# Altium PCB e-puck3-coreboard.PcbDoc (part 4 of 7)
Units mm, origin at the board's own origin, x right, y up, seen from the top; angles counter-clockwise.
Board outline 42.5 x 39.5 mm, 10 copper layers (Top Layer, Top GND Plane, Top Mid Layer 1, Top Mid Layer 2, Mid GND Plane, Bot Mid Layer 3, Bot Mid Layer 2, Bot Mid Layer 1, Bot GND Plane, Bottom Layer), stack 1.366 mm thick; 292 components, 337 nets, 1581 pads, 7018 vias.
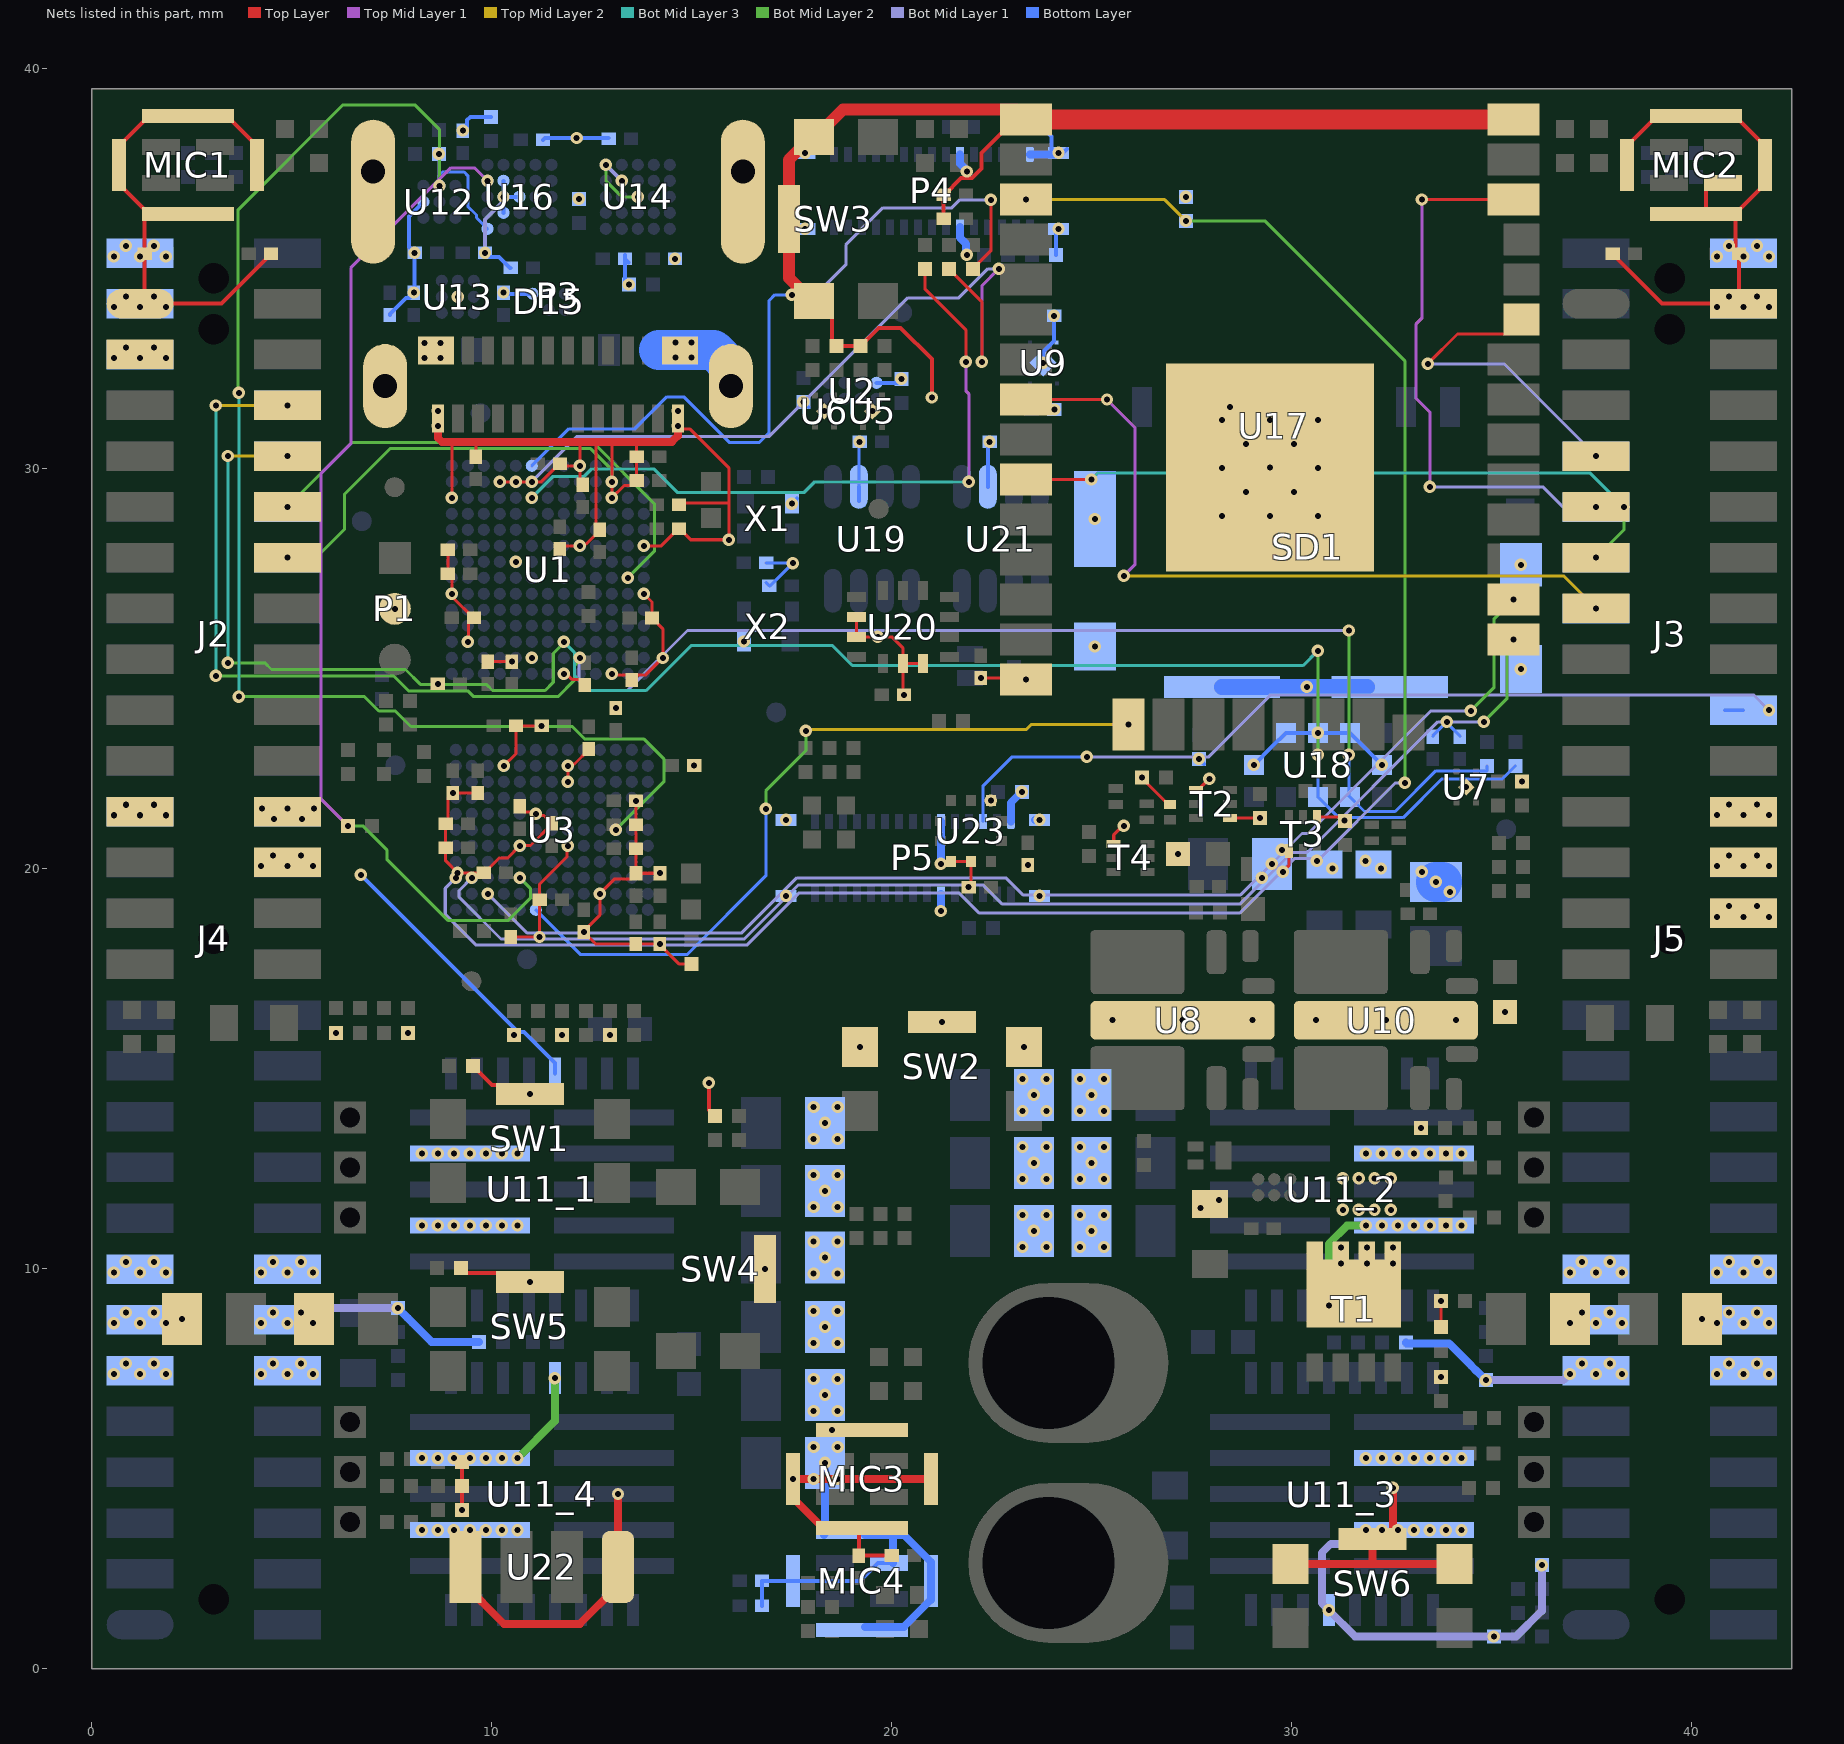
[diagram p12: the nets of this part, all layers, seen from the top]

## Via types
v1: diameter 0.304, hole 0.15, Bot GND Plane to Bottom Layer, 1160 vias
v2: diameter 0.304, hole 0.15, Bot Mid Layer 1 to Bot GND Plane, 1106 vias
v3: diameter 0.304, hole 0.15, Bot Mid Layer 2 to Bot Mid Layer 1, 1042 vias
v4: diameter 0.304, hole 0.15, Bot Mid Layer 3 to Bot Mid Layer 2, 765 vias
v5: diameter 0.304, hole 0.15, Mid GND Plane to Bot Mid Layer 3, 706 vias
v6: diameter 0.304, hole 0.15, Top Mid Layer 2 to Mid GND Plane, 706 vias
v7: diameter 0.304, hole 0.15, Top Mid Layer 1 to Top Mid Layer 2, 585 vias
v8: diameter 0.304, hole 0.15, Top GND Plane to Top Mid Layer 1, 493 vias
v9: diameter 0.304, hole 0.15, Top Layer to Top GND Plane, 343 vias
v10: diameter 0.304/0.15/0.15/0.15/0.15/0.15/0.15/0.15/0.15/0.304 (per signal layer), hole 0.15, Top Layer to Bottom Layer, 39 vias
v11: diameter 0.304/0.304/0.15/0.15/0.304/0.15/0.15/0.15/0.304/0.304 (per signal layer), hole 0.15, Top Layer to Bottom Layer, 38 vias
v12: diameter 0.304/0.15/0.304/0.15/0.304/0.304/0.15/0.15/0.304/0.304 (per signal layer), hole 0.15, Top Layer to Bottom Layer, 10 vias
v13: diameter 0.304/0.304/0.15/0.15/0.15/0.15/0.15/0.15/0.15/0.304 (per signal layer), hole 0.15, Top Layer to Bottom Layer, 8 vias
v14: diameter 0.304/0.304/0.15/0.15/0.304/0.15/0.15/0.15/0.15/0.304 (per signal layer), hole 0.15, Top Layer to Bottom Layer, 4 vias
v15: diameter 0.304/0.304/0.15/0.15/0.304/0.15/0.15/0.15/0.304/0.15 (per signal layer), hole 0.15, Top Layer to Bottom Layer, 4 vias
v16: diameter 0.304/0.15/0.304/0.304/0.304/0.304/0.15/0.304/0.304/0.304 (per signal layer), hole 0.15, Top Layer to Bottom Layer, 2 vias
v17: diameter 0.304/0.15/0.15/0.15/0.304/0.15/0.15/0.15/0.304/0.304 (per signal layer), hole 0.15, Top Layer to Bottom Layer, 2 vias
v18: diameter 0.304/0.15/0.15/0.15/0.15/0.15/0.15/0.304/0.15/0.304 (per signal layer), hole 0.15, Top Layer to Bottom Layer, 1 vias
v19: diameter 0.304/0.15/0.304/0.15/0.15/0.304/0.15/0.15/0.15/0.304 (per signal layer), hole 0.15, Top Layer to Bottom Layer, 1 vias
v20: diameter 0.304/0.15/0.15/0.15/0.304/0.15/0.15/0.15/0.15/0.304 (per signal layer), hole 0.15, Top Layer to Bottom Layer, 1 vias
v21: diameter 0.304/0.15/0.15/0.15/0.15/0.15/0.304/0.15/0.15/0.304 (per signal layer), hole 0.15, Top Layer to Bottom Layer, 1 vias
v22: diameter 0.304/0.15/0.304/0.15/0.15/0.15/0.15/0.15/0.15/0.304 (per signal layer), hole 0.15, Top Layer to Bottom Layer, 1 vias

## Nets (pads, with @x,y where several pads share a name; then routed paths per layer and width w, separated by ;. In a path a pad name is that pad's centre, name@x,y a point inside that pad or via, vN(x,y) a via of type N, cw(c..) or ccw(c..) an arc to the next point about the centre after c; other vN are vias at no path point) (continued)
FLASH_CAM2_1: J5.38 P5.3 | length 22.1
  Bot Mid Layer 1 w0.077: v2(24.875,22.8) 27.925,22.8 29.475,24.35 41.54,24.35 v2(41.925,23.965)
  Bottom Layer w0.077: P5.3@22.275,21.185 22.275,22.063 23.012,22.8 v2(24.875,22.8) ; J5.38@40.822,23.965 J5.38@41.291,23.965
  other v1: 24.875,22.8 41.925,23.965
FREE_GPIOs_ESP32.IO21_ESP32_1: J3.7 J5.47 U17.33 | length 8.1
  Top Layer w0.077: v9(33.4,32.625) 34.144,33.369 35.428,33.369 35.79,33.73 U17.33@35.74,33.73
  Bot Mid Layer 1 w0.077: v9(33.4,32.625) 35.302,32.625 v9(37.608,30.319)
  other v1: 37.608,30.319
  other v2: 37.608,30.319
  other v3: 37.608,30.319 33.4,32.625
  other v4: 37.608,30.319 33.4,32.625
  other v5: 37.608,30.319 33.4,32.625
  other v6: 37.608,30.319 33.4,32.625
  other v7: 37.608,30.319 33.4,32.625
  other v8: 37.608,30.319 33.4,32.625
FREE_GPIOs_ESP32.IO22_ESP32_1: J3.9 J5.45 U17.36 | length 14
  Top Layer w0.077: v9(33.25,36.73) U17.36@35.54,36.73
  Top Mid Layer 1 w0.077: v9(33.25,36.73) 33.25,33.762 33.1,33.612 33.1,31.772 33.45,31.422 v7(33.45,29.55)
  Bot Mid Layer 1 w0.077: v7(33.45,29.55) 36.275,29.55 36.776,29.049 v9(37.608,29.049)
  other v1: 37.608,29.049
  other v2: 37.608,29.049
  other v3: 37.608,29.049 33.45,29.55
  other v4: 37.608,29.049 33.45,29.55
  other v5: 37.608,29.049 33.45,29.55
  other v6: 37.608,29.049 33.45,29.55
  other v7: 37.608,29.049
  other v8: 37.608,29.049 33.25,36.73
FREE_GPIOs_ESP32.IO27_ESP32_1: J3.11 J5.43 U17.10 | length 16.9
  Top Layer w0.077: U17.10@23.36,29.73 v9(24.986,29.73)
  Bot Mid Layer 2 w0.077: v9(37.608,27.779) 38.3,28.471 v4(38.3,29.049)
  Bot Mid Layer 3 w0.077: v9(24.986,29.73) 25.156,29.9 37.449,29.9 v4(38.3,29.049)
  other v1: 37.608,27.779
  other v2: 37.608,27.779
  other v3: 37.608,27.779
  other v4: 37.608,27.779
  other v5: 37.608,27.779 24.986,29.73
  other v6: 37.608,27.779 24.986,29.73
  other v7: 37.608,27.779 24.986,29.73
  other v8: 37.608,27.779 24.986,29.73
FREE_GPIOs_ESP32.IO32_ESP32_1: J3.13 J5.41 U17.8 | length 19
  Top Layer w0.077: U17.8@23.36,31.73 v9(25.38,31.73)
  Top Mid Layer 1 w0.077: v9(25.38,31.73) 26.075,31.035 26.075,27.6 v7(25.8,27.325)
  Top Mid Layer 2 w0.077: v7(25.8,27.325) 36.793,27.325 v9(37.608,26.509)
  other v1: 37.608,26.509
  other v2: 37.608,26.509
  other v3: 37.608,26.509
  other v4: 37.608,26.509
  other v5: 37.608,26.509
  other v6: 37.608,26.509
  other v7: 37.608,26.509
  other v8: 37.608,26.509 25.38,31.73
FRONT_RGB.B_1: R42.1 U1.M6 | length 17.4
  Top Layer w0.077: R42.1@20.824,35 20.824,34.501 21.85,33.475 v8(21.85,32.675)
  Top Mid Layer 1 w0.077: v8(21.85,32.675) 21.85,31.95 21.925,31.875 v7(21.925,29.675)
  Bot Mid Layer 3 w0.077: v3(11,29.275) 11.537,29.811 12.309,29.811 12.498,30 14.045,30 14.634,29.412 17.813,29.412 18.076,29.676 v7(21.925,29.675)
  other v1: 11,29.275
  other v2: 11,29.275
  other v4: 11,29.275
  other v5: 21.925,29.675
  other v6: 21.925,29.675
  other v9: 21.85,32.675
FRONT_RGB.G_1: R41.1 U1.N6 | length 19
  Top Layer w0.077: R41.1@21.425,35 22.25,34.175 v8(22.25,32.675)
  Top Mid Layer 1 w0.077: v8(22.25,32.675) 22.254,32.679 22.254,34.579 v7(22.675,35)
  Bot Mid Layer 1 w0.077: v2(11,29.675) 12.137,30.812 16.937,30.812 20.4,34.275 21.675,34.275 22.4,35 v7(22.675,35)
  other v1: 11,29.675
  other v3: 22.675,35
  other v4: 22.675,35
  other v5: 22.675,35
  other v6: 22.675,35
  other v9: 22.25,32.675
FRONT_RGB.R_1: R40.1 U1.P6 | length 19.3
  Top Layer w0.077: R40.1@22.025,35 22.475,35.45 v9(22.475,36.725)
  Bot Mid Layer 1 w0.077: v2(17.5,34.35) 18.1,34.35 18.85,35.1 18.85,35.6 19.775,36.525 21.5,36.525 21.7,36.725 v9(22.475,36.725)
  Bottom Layer w0.077: U1.P6@11,30.075 11.925,31 13.575,31 14.375,31.8 14.8,31.8 15.947,30.654 16.679,30.654 16.929,30.904 16.929,34.204 17.075,34.35 v2(17.5,34.35)
  other v1: 17.5,34.35
  other v3: 22.475,36.725
  other v4: 22.475,36.725
  other v5: 22.475,36.725
  other v6: 22.475,36.725
  other v7: 22.475,36.725
  other v8: 22.475,36.725
GND: C1.2 C2.2 C3.2 C4.2 C5.2 C6.2 C7.2 C8.2 C9.2 C10.2 C11.2 C12.2 C13.2 C14.2 C15.2 C16.2 C17.2 C18.2 C19.2 C20.2 C21.2 C22.2 C23.2 C24.2 C25.2 C26.2 C27.2 C28.2 C29.2 C30.2 C31.2 C32.2 C33.2 C34.2 C35.2 C36.2 C37.2 C38.2 C39.2 C40.2 C41.2 C42.2 C43.2 C45.2 C46.2 C47.2 C49.2 C50.2 C53_1.2 C53_2.2 C53_3.2 C53_4.2 C54_1.2 C54_2.2 C54_3.2 C54_4.2 C55_1.2 C55_2.2 C55_3.2 C55_4.2 C56_1.2 C56_2.2 C56_3.2 C56_4.2 C57.2 C58.2 C59.2 C60.2 C61.2 C62.2 C63.2 C64.2 C65.2 C66.2 C67.2 C68.2 C69.2 C70.2 C71.2 C72.2 C73.2 C74.2 C75.2 C76.2 C77.2 C78.2 C79.2 C80.2 C81.2 C82.2 C83.2 C84.2 C87.2 C88.2 D5.2 D14.2 D15.C1 J2.1 J2.3 J2.21 J2.22 J2.24 J3.2 J3.22 J3.24 J3.26 J4.11 J4.12 J4.13 J4.14 J4.15 J4.16 J4.33 J4.34 J4.51 J4.53 J4.55 J5.11 J5.12 J5.13 J5.14 J5.15 J5.16 J5.54 J5.56 MIC1.5 MIC2.2 MIC2.5 MIC3.5 MIC4.2 MIC4.5 P1.2 P3.A1 P3.A12 P3.B1 P3.B12 P3.SHIELD P4.1 P4.6 P4.25 P4.P1 P4.P2 P5.1 P5.6 P5.25 P5.P1 P5.P2 R4.2 R7.2 R8.2 R9.2 R10.2 R12.2 R13.1 R15.2 R18.2 R19.2 R22.2 R25.2 R26.2 R27.2 R29.2 R33_1.2 R33_2.2 R33_3.2 R33_4.2 R34_1.2 R34_2.2 R34_3.2 R34_4.2 R35_1.2 R35_2.2 R35_3.2 R35_4.2 R38_1.2 R38_2.2 R38_3.2 R38_4.2 R39_1.2 R39_2.2 R39_3.2 R39_4.2 R70.2 R71.2 R72.2 R74.2 R75.2 R77.2 R79.2 R80.2 SD1.6 SD1.SHIELD SW1.Shield SW2.1 SW2.Shield SW3.1 SW3.Shield SW4.Shield SW5.Shield SW6.1 SW6.Shield T1.5 T1.6 T1.7 T1.8 T1.9 T2.1 T2.4 T3.1 T3.4 T4.1 U1.A8 U1.A11 U1.B6 U1.C2 U1.F1 U1.F13 U1.H5 U1.J9 U1.J13 U1.M1 U1.M11 U1.N4 U1.N5 U1.P9 U2.D1 U3.D2 U3.E7 U3.F5 U3.H2 U3.H3 U3.H7 U3.K10 U5.3 U6.3 U7.3 U8.8 U9.2 U9.5 U10.8 U11_1.10 U11_1.12 U11_1.18 U11_2.10 U11_2.12 U11_2.18 U11_3.10 U11_3.12 U11_3.18 U11_4.10 U11_4.12 U11_4.18 U12.C2 U13.B2 U14.C3 U14.D2 U16.B4 U16.C3 U16.C4 U16.D4 U17.1 U17.15 U17.38 U17.39 U18.2 U18.3 U18.4 U18.6 U18.12 U19.2 U20.2 U20.3 U20.6 U20.7 U21.2 U22.1 U22.4 U23.3 U23.8 U23.9 X1.2 X2.2 | length 232.9
  Top Layer w0.077: C14.2@8.565,24.65 8.59,24.625 v9(8.65,24.625) ; C7.2@8.9,27.975 C6.2@8.9,27.375 9,27.275 v11(9,26.875) 9.043,26.832 9.043,26.767 C8.2@9.535,26.275 ; C30.2@8.955,21.235 C30.2@8.904,21.184 ; 8.975,30.675 9,30.65 v11(9,29.275) ; v13(9.4,25.675) v13@9.414,25.688 ; v13@9.425,25.7 v13@9.414,25.688 ; C8.2@9.575,26.275 C8.2@9.555,26.275 C8.2@9.535,26.275 ; C15.2@9.6,30.305 9.6,30.675 ; C40.2@9.65,21.915 C40.2@9.65,21.895 v9(9.025,21.895) 8.904,21.773 C30.2@8.904,21.184 ; C3.2@9.9,25.16 C3.2@9.9,25.18 v9(10.5,25.18) C2.2@10.595,25.275 ; v14(10.2,29.675) v14(10.6,29.675) 11.235,29.675 11.685,30.125 C9.2@11.705,30.125 11.755,30.075 v11(12.2,30.075) ; v13@10.3,22.565 v13(10.3,22.575) 10.605,22.88 C28.2@10.605,23.575 v9(11.245,23.575) ; C42.2@10.475,18.295 v9(11.195,18.295) C21.2@11.195,19.225 ; C39.2@10.7,21.56 10.7,21.54 10.821,21.419 10.995,21.419 11.039,21.375 v10(11.1,21.375) 11.143,21.332 11.303,21.332 11.359,21.276 11.379,21.276 11.5,21.155 C38.2@11.5,21.135 11.5,21.115 10.967,20.582 10.707,20.582 v13(10.7,20.575) 10.392,20.267 10.182,20.267 9.815,19.9 C36.2@9.795,19.9 v9(9.143,19.9) 8.845,20.198 C37.2@8.845,20.525 C30.2@8.845,21.125 C30.2@8.904,21.184 ; C21.2@11.325,19.115 11.215,19.225 C21.2@11.195,19.225 ; C16.2@11.7,27.995 11.78,28.075 v10(12.2,28.075) 12.243,28.118 12.358,28.118 12.7,28.46 C10.2@12.7,28.48 ; v11@11.815,24.86 v11(11.8,24.875) 11.861,24.875 12,24.737 12.204,24.737 C12.2@12.31,24.63 ; v10(11.9,20.575) 11.882,20.557 11.882,20.307 11.195,19.62 C21.2@11.195,19.225 ; v13(11.9,22.175) v13(11.9,22.575) 11.943,22.618 12.068,22.618 12.425,22.975 C22.2@12.425,22.995 C22.2@12.425,23.015 ; C12.2@12.215,24.725 C12.2@12.31,24.63 ; 12.225,30.675 12.2,30.65 v11(12.2,30.075) ; C17.2@12.275,29.585 C17.2@12.275,29.605 12.2,29.68 v11(12.2,30.075) ; C12.2@12.28,24.6 C12.2@12.31,24.63 ; C12.2@12.325,24.595 12.325,24.615 C12.2@12.31,24.63 ; C12.2@12.355,24.675 C12.2@12.31,24.63 ; C10.2@12.6,28.566 12.6,30.625 12.65,30.675 12.655,30.67 ; v11(13,24.875) 13.025,24.85 13.851,24.85 v9(14.275,25.274) 14.275,26 C18.2@14.005,26.27 14.005,26.67 v17(13.8,26.875) ; 13,30.675 v20(13,29.275) ; v20@13.015,29.26 12.985,29.26 v20(13,29.275) ; C33.2@13.075,24.045 v9(13.1,24.02) ; C13.2@13.5,24.72 C13.2@13.5,24.74 ; C26.2@13.6,18.1 C26.2@13.6,18.12 ; C34.2@13.625,21.7 v9(13.605,21.7) C31.2@13.605,21.1 C32.2@13.605,20.5 C24.2@13.605,19.89 ; 13.625,30.675 13.621,30.671 C5.2@13.621,30.3 C4.2@13.621,29.705 13.499,29.584 13.309,29.584 v20(13,29.275) ; v17(13.8,28.075) 14.235,28.075 14.66,28.5 C11.2@14.68,28.5 14.7,28.5 14.974,28.226 v9(15.925,28.226) 15.925,29.141 ; C25.2@14.205,19.91 v9(14.205,19.89) C24.2@13.605,19.89 ; P3.A1@14.655,31.26 14.655,31.105 14.767,30.993 14.957,30.993 15.925,30.025 15.925,29.141 ; C19.2@14.68,29.1 14.68,29.141 15.925,29.141 ; R12.2@14.99,17.625 14.675,17.625 14.2,18.1 v9(14.2,18.12) C26.2@13.6,18.12 ; v9(15.06,22.58) C29.2@15.181,22.701 ; SW3.1@18.05,34.2 SW3.1@18.425,33.825 ; U20.2@19.113,26.3 U20.3@19.113,25.8 v9(19.65,25.8) 20,25.8 20.275,25.525 U20.6@20.275,25.137 ; v9(20.305,24.35) 20.275,24.38 U20.6@20.275,25.137 ; U20.7@20.775,25.137 U20.6@20.275,25.137 ; U23.8@21.475,20.188 U23.9@21.975,20.188 ; v9(21.92,19.54) 21.975,19.595 U23.9@21.975,20.188 ; U23.9@21.975,20.2 U23.9@21.975,20.188 ; v9(22.225,24.77) 23.32,24.77 v9(23.36,24.73) ; T4.1@25.548,20.622 25.548,20.848 25.775,21.075 v9(25.8,21.075) ; R25.2@26.365,22.2 26.365,22.15 26.89,21.625 D5.2@26.96,21.625 ; T2.1@27.6,21.975 27.662,21.975 v9(27.937,22.25) ; T2.4@28.45,21.275 v9(29.2,21.275) ; v9(29.775,19.925) 29.925,20.075 T3.1@29.925,20.45 ; T3.4@30.625,21.3 31.225,21.3 v9(31.32,21.205) R27.2@31.325,21.2 ; R34_3.2@33.725,8.55 v9(33.725,9.2) ; R34_3.2@33.861,8.414 R34_3.2@33.864,8.414 ; v13@9.414,25.688 9.414,26.154 C8.2@9.535,26.275 ; C26.2@13.6,18.12 12.6,18.12 12.441,18.279 12.421,18.279 12.3,18.4 v9(12.3,18.42) 12.3,18.44 12.7,18.84 v14(12.7,19.375) 13.074,19.749 13.484,19.749 13.605,19.87 C24.2@13.605,19.89
  Top Layer w0.1: MIC1.5@4.125,37.6 4.125,38.075 3.5,38.7 2.525,38.7 MIC1.5@2.4,38.825 1.425,38.825 0.8,38.2 0.675,38.075 MIC1.5@0.675,37.6 0.675,37.125 1.32,36.48 C70.2@1.32,35.375 1.32,34.241 J2.1@1.209,34.129 3.241,34.129 3.631,34.519 3.631,34.526 C71.2@4.48,35.375 ; R8.2@9.225,10.025 9.35,9.9 SW5.Shield@10.15,9.9 ; v9(9.25,3.975) R34_4.2@9.25,4.575 R33_4.2@9.25,5.175 ; R4.2@9.525,15.075 10,14.6 10.725,14.6 v9(10.95,14.375) ; v9(15.425,14.65) 15.425,13.975 R7.2@15.575,13.825 ; SW3.1@18,34.2 SW3.1@18.05,34.2 18.1,34.2 18.5,33.8 18.5,33.182 R18.2@18.615,33.067 R15.2@19.215,33.067 19.673,33.525 20.215,33.525 21,32.74 v9(21,31.782) ; MIC3.5@19.175,3.45 C78.2@19.175,2.83 C77.2@19.995,2.83 ; C65.2@21.295,36.25 C66.2@21.295,36.85 21.315,36.85 21.732,37.267 22,37.267 22.247,37.513 22.247,37.897 23.08,38.73 U17.1@23.36,38.73 ; C75.2@38.02,35.368 39.259,34.129 J3.2@41.291,34.129 J3.2@41.507,34.129 ; C75.2@38.02,35.368 C75.2@38.02,35.375 ; MIC2.5@38.375,37.6 38.375,38.075 39.125,38.825 MIC2.5@40.1,38.825 41.075,38.825 41.7,38.2 41.825,38.075 MIC2.5@41.825,37.6 41.825,37.125 41.075,36.375 MIC2.5@40.35,36.375 ; MIC2.5@40.1,36.375 MIC2.5@40.35,36.375 ; MIC2.2@40.775,37.15 40.5,37.15 40.35,37 MIC2.5@40.35,36.375 ; MIC2.5@41.095,36.375 41.095,35.46 C76.2@41.18,35.375 J3.2@41.18,34.241 ; SW5.Shield@10.15,9.9 10.725,9.9 v9(10.95,9.675) 10.375,9.675 SW5.Shield@10.15,9.9
  Top Layer w0.2: P3.A12@8.655,31.26 8.65,31.255 v15(8.65,31.075) 8.65,30.775 8.75,30.675 8.975,30.675 9.6,30.675 12.225,30.675 12.65,30.675 13,30.675 13.625,30.675 14.5,30.675 14.65,30.825 14.65,31.255 P3.A1@14.655,31.26 ; U22.4@9.266,2.75 9.266,2.159 10.3,1.125 12.2,1.125 U22.1@13.076,2.001 ; U22.1@13.155,2.55 v9(13.155,4.37) ; MIC3.5@19.25,3.525 18.275,3.525 17.6,4.2 17.525,4.275 v9(17.525,4.75) MIC3.5@20.975,4.75 ; SW6.1@29.969,2.625 32.019,2.625 ; v9(32.525,4.525) 32.525,3.425 32.35,3.25 SW6.Shield@32.019,3.25 32.019,2.625 ; SW6.1@34.069,2.625 32.019,2.625
  Top Layer w0.3: SW3.1@18,34.2 17.425,34.775 SW3.Shield@17.425,36.25 17.425,37.725 18,38.3 SW3.1@18.05,38.3 18.1,38.3 18.777,38.977 23.113,38.977 U17.1@23.36,38.73
  Top Layer w0.5: U17.1@23.36,38.73 U17.38@35.54,38.73
  Bot Mid Layer 2 w0.077: v3(12.85,37.6) 12.85,37.2 13.25,36.8 v3(13.65,36.8)
  Bot Mid Layer 2 w0.2: v3(10.646,5.265) 11.575,6.194 v3(11.575,7.265) ; v3(30.925,9.085) 30.925,10.625 31.385,11.085 v3(31.85,11.085)
  Bot Mid Layer 1 w0.1: v2(9.83,35.4) 9.83,36.23 10.293,36.693 v2(10.293,36.8) ; v2@12.85,37.627 v3(12.85,37.6) v2(13.25,37.2)
  Bot Mid Layer 1 w0.2: v8(5.533,8.64) 5.908,9.015 v2(7.65,9.015) ; v3(31.85,3.465) 31.51,3.125 30.975,3.125 30.75,2.9 30.75,1.64 v2(30.925,1.465) 31.585,0.805 v2(35.05,0.805) 35.605,0.805 36.25,1.45 v2(36.25,2.59) ; v2(34.85,7.215) 36.795,7.215 v3(36.95,7.37)
  Bot Mid Layer 3 w0.2: v5@41.272,7.35 v3(41.291,7.37)
  Bottom Layer w0.077: C20.2@16.86,27.154 C20.2@16.939,27.075 16.959,27.075 v1(17.525,27.641) 16.869,27.641 C1.2@16.86,27.65 ; X1.2@17.499,29.052 v1(17.499,29.127) ; v1(17.787,31.675) R9.2@17.923,31.539 ; U19.2@19.175,29.55 19.175,30.655 v1(19.195,30.675) ; C69.2@22.4,30.63 v1(22.445,30.675) C69.2@22.45,30.67 ; C68.2@33.525,23.305 33.525,23.325 33.686,23.486 v1(33.875,23.675) 33.875,23.65 34.2,23.325 C67.2@34.2,23.305
  Bottom Layer w0.1: v3(6.725,19.85) 10.65,15.925 10.8,15.925 11.575,15.15 U11_1.18@11.575,14.885 ; P3.SHIELD@7.335,32.07 P3.SHIELD@7.34,32.075 ; C88.2@7.45,33.845 7.45,33.865 7.86,34.275 7.94,34.275 8.05,34.385 v1(8.05,34.405) 8.07,34.425 v1(8.07,35.4) 7.925,35.545 7.925,36.311 U12.C2@8.289,36.675 ; C57.2@9.275,38.475 v1(9.275,38.455) 9.385,38.565 9.385,38.715 9.47,38.8 R70.2@9.975,38.8 ; v1(10.293,34.405) 10.323,34.375 D15.C1@11.025,34.375 ; U16.D4@10.293,36.4 v2(10.293,36.8) ; U16.B4@10.293,37.2 v2(10.293,36.8) ; C64.2@10.47,35.025 10.45,35.025 10.185,35.29 C59.2@9.96,35.29 ; U16.C3@10.693,36.8 v2(10.293,36.8) ; C87.2@11.28,38.225 11.325,38.27 v1(12.123,38.27) C61.2@12.92,38.27 ; C62.2@13.33,35.35 C62.2@13.33,35.25 ; C62.2@13.42,35.16 C62.2@13.33,35.25 ; v1(13.425,34.608) 13.33,34.703 C62.2@13.33,35.25 ; v1(14.58,35.25) C63.2@14.6,35.25 ; C82.2@16.755,1.575 C81.2@16.755,2.2 MIC4.5@17.525,2.2 19.2,2.2 19.65,2.65 MIC4.2@19.925,2.65 ; v1(17.499,29.127) X1.2@17.624,29.252 ; P4.P2@17.671,37.9 v1(17.83,37.9) ; P4.P2@17.75,36.021 17.771,36 v1(17.83,36) ; U19.2@19.175,29.2 U19.2@19.175,29.55 ; U2.D1@19.616,32.15 20.137,32.15 v1(20.237,32.25) ; U21.2@22.4,29.55 C69.2@22.4,30.63 ; R79.2@23.725,38.575 23.991,38.309 23.991,38 24.091,37.9 v1(24.17,37.9) ; v1(23.783,32.65) 23.783,32.919 24.057,33.193 v1(24.057,33.825) ; v1(24.061,31.485) C45.2@24.081,31.485 ; R80.2@24.1,35.35 24.1,35.93 v1(24.17,36) ; P4.P1@24.13,37.86 v1(24.17,37.9) ; P4.P1@24.375,38 24.275,37.9 v1(24.17,37.9) ; v1(27.675,22.75) R75.2@27.8,22.625 ; U18.6@29.025,22.625 v1(29.05,22.6) 29.509,23.059 U18.4@29.85,23.4 U18.2@31.45,23.4 31.65,23.2 v1(32.25,22.6) ; J5.56@41.291,35.395 J5.56@41.3,35.403 ; C59.2@9.96,35.29 9.94,35.29 v2(9.83,35.4) 9.85,35.4 C59.2@9.96,35.29
  Bottom Layer w0.2: v2(7.65,9.015) 7.898,8.767 8.002,8.663 8.49,8.175 R38_4.2@9.675,8.175 ; MIC4.5@18.3,3.35 18.331,3.381 v7(18.331,5.15) ; MIC4.5@19.25,3.425 19.325,3.35 MIC4.5@20.025,3.35 ; MIC4.5@19.325,1.05 20.3,1.05 20.975,1.725 MIC4.5@20.975,2.2 20.975,2.675 20.3,3.35 MIC4.5@20.025,3.35 ; MIC4.2@20.025,2.65 MIC4.5@20.025,3.35 ; v1(21.225,18.949) P5.25@21.225,19.365 ; v1(21.225,20.125) 21.225,21.095 P5.6@21.225,21.185 ; P4.25@21.7,36.04 21.7,35.782 21.855,35.627 21.855,35.37 v1(21.875,35.35) ; P4.6@21.7,37.86 21.7,37.633 21.875,37.458 v1(21.875,37.43) ; P5.1@22.975,21.185 22.975,21.65 v1(23.25,21.925) ; P4.1@23.45,37.86 P4.P1@24.13,37.86 ; P5.P1@23.585,21.225 v1(23.695,21.225) ; C46.2@24.058,33.846 C46.2@24.058,33.875 ; SD1.6@28.45,31.3 v1(28.45,31.55) ; R38_2.2@32.85,8.157 32.869,8.138 33.927,8.138 34.498,7.567 34.633,7.431 ; 34.634,7.431 v2(34.85,7.215)
  Bottom Layer w0.4: SD1.SHIELD@28.255,24.55 v1(30.375,24.55) SD1.SHIELD@31.875,24.55
  Bottom Layer w1: D14.2@14.175,32.975 15.543,32.975 15.975,32.543 P3.SHIELD@15.975,32.07 ; v1(33.6,19.675) C47.2@33.75,19.675
  other v1: 35.05,0.805 30.925,1.465 36.25,2.59 8.25,3.465 8.65,3.465 9.05,3.465 9.45,3.465 9.85,3.465 10.25,3.465 10.646,3.465 31.85,3.465 32.25,3.465 32.65,3.465 33.05,3.465 33.45,3.465 33.85,3.465 34.246,3.465 18.047,4.743 18.647,4.743 18.331,5.15 8.25,5.265 8.65,5.265 9.05,5.265 9.45,5.265 9.85,5.265 10.25,5.265 10.646,5.265 31.85,5.265 32.25,5.265 32.65,5.265 33.05,5.265 33.45,5.265 33.85,5.265 34.246,5.265 18.047,5.543 18.647,5.543 18.047,6.443 18.647,6.443 18.331,6.85 34.85,7.215 18.047,7.243 18.647,7.243 11.575,7.265 0.55,7.37 1.209,7.37 1.85,7.37 4.233,7.37 4.892,7.37 5.533,7.37 36.95,7.37 37.608,7.37 38.25,7.37 40.633,7.37 41.291,7.37 41.933,7.37 0.85,7.635 1.55,7.635 4.533,7.635 5.233,7.635 37.25,7.635 37.95,7.635 40.933,7.635 41.633,7.635 18.047,8.143 18.647,8.143 18.331,8.55 0.55,8.64 1.209,8.64 1.85,8.64 4.233,8.64 4.892,8.64 5.533,8.64 36.95,8.64 37.608,8.64 38.25,8.64 40.633,8.64 41.291,8.64 41.933,8.64 0.85,8.905 1.55,8.905 4.533,8.905 5.233,8.905 37.25,8.905 37.95,8.905 40.933,8.905 41.633,8.905 18.047,8.943 18.647,8.943 7.65,9.015 30.925,9.085 18.047,9.878 18.647,9.878 0.55,9.91 1.209,9.91 1.85,9.91 4.233,9.91 4.892,9.91 5.533,9.91 36.95,9.91 37.608,9.91 38.25,9.91 40.633,9.91 41.291,9.91 41.933,9.91 0.85,10.175 1.55,10.175 4.533,10.175 5.233,10.175 37.25,10.175 37.95,10.175 40.933,10.175 41.633,10.175 18.331,10.285 23.266,10.543 23.866,10.543 24.706,10.543 25.306,10.543 18.047,10.678 18.647,10.678 23.55,10.95 24.99,10.95 8.25,11.085 8.65,11.085 9.05,11.085 9.45,11.085 9.85,11.085 10.25,11.085 10.646,11.085 31.85,11.085 32.25,11.085 32.65,11.085 33.05,11.085 33.45,11.085 33.85,11.085 34.246,11.085 23.266,11.343 23.866,11.343 24.706,11.343 25.306,11.343 18.047,11.543 18.647,11.543 18.331,11.95 23.266,12.243 23.866,12.243 24.706,12.243 25.306,12.243 18.047,12.343 18.647,12.343 23.55,12.65 24.99,12.65 8.25,12.885 8.65,12.885 9.05,12.885 9.45,12.885 9.85,12.885 10.25,12.885 10.646,12.885 31.85,12.885 32.25,12.885 32.65,12.885 33.05,12.885 33.45,12.885 33.85,12.885 34.246,12.885 23.266,13.043 23.866,13.043 24.706,13.043 25.306,13.043 18.047,13.243 18.647,13.243 18.331,13.65 23.266,13.943 23.866,13.943 24.706,13.943 25.306,13.943 18.047,14.043 18.647,14.043 23.55,14.35 24.99,14.35 23.266,14.743 23.866,14.743 24.706,14.743 25.306,14.743 17.355,19.325 23.695,19.325 33.95,19.425 29.25,19.775 6.725,19.85 33.25,19.925 31.011,20.01 32.232,20.01 29.5,20.125 30.625,20.2 31.846,20.2 29.75,20.475 17.355,21.225 4.55,21.249 5.25,21.249 0.55,21.336 1.209,21.336 1.85,21.336 4.25,21.514 4.892,21.514 5.55,21.514 0.85,21.601 1.55,21.601 30.65,23.4 35.725,24.99 25.075,25.56 16.299,25.685 35.725,27.6 25.075,28.745 9.15,34.3 0.55,35.31 1.209,35.31 1.85,35.31 40.633,35.31 41.291,35.31 41.933,35.31 9.83,35.4 0.85,35.575 1.55,35.575 40.933,35.575 41.633,35.575 12.175,36.75 10.293,36.8 13.65,36.8 27.35,36.8 13.25,37.2